# Altium PCB RadarPCB.PcbDoc
Units mm, origin at the board's own origin, x right, y up, seen from the top; angles counter-clockwise.
Board outline 65.3 x 74.58 mm, 4 copper layers (Top Layer, GND, PWR, Bottom Layer), stack 0.623 mm thick; 111 components, 61 nets, 388 pads, 97 vias.
Unrouted connection lines stored in the file: 11.
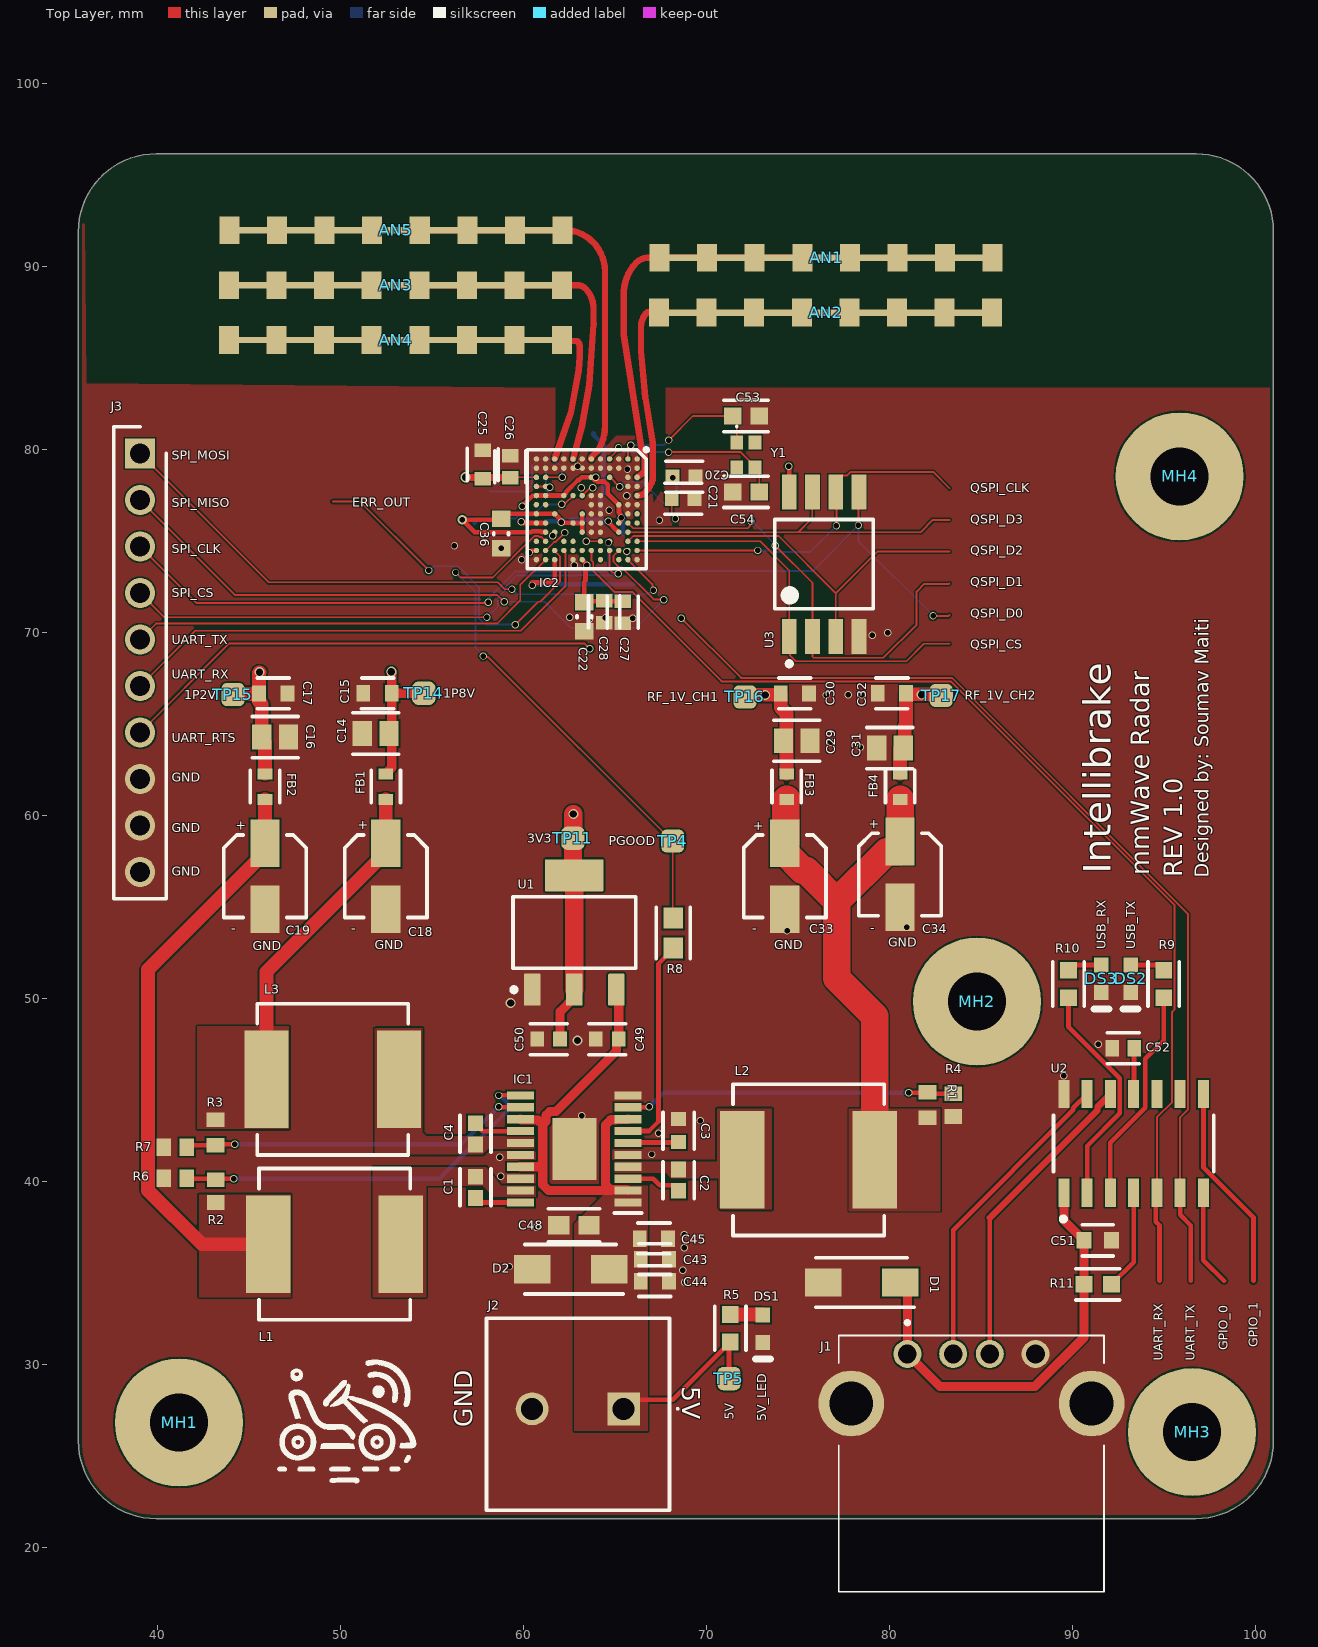
[diagram p0: Top Layer view]
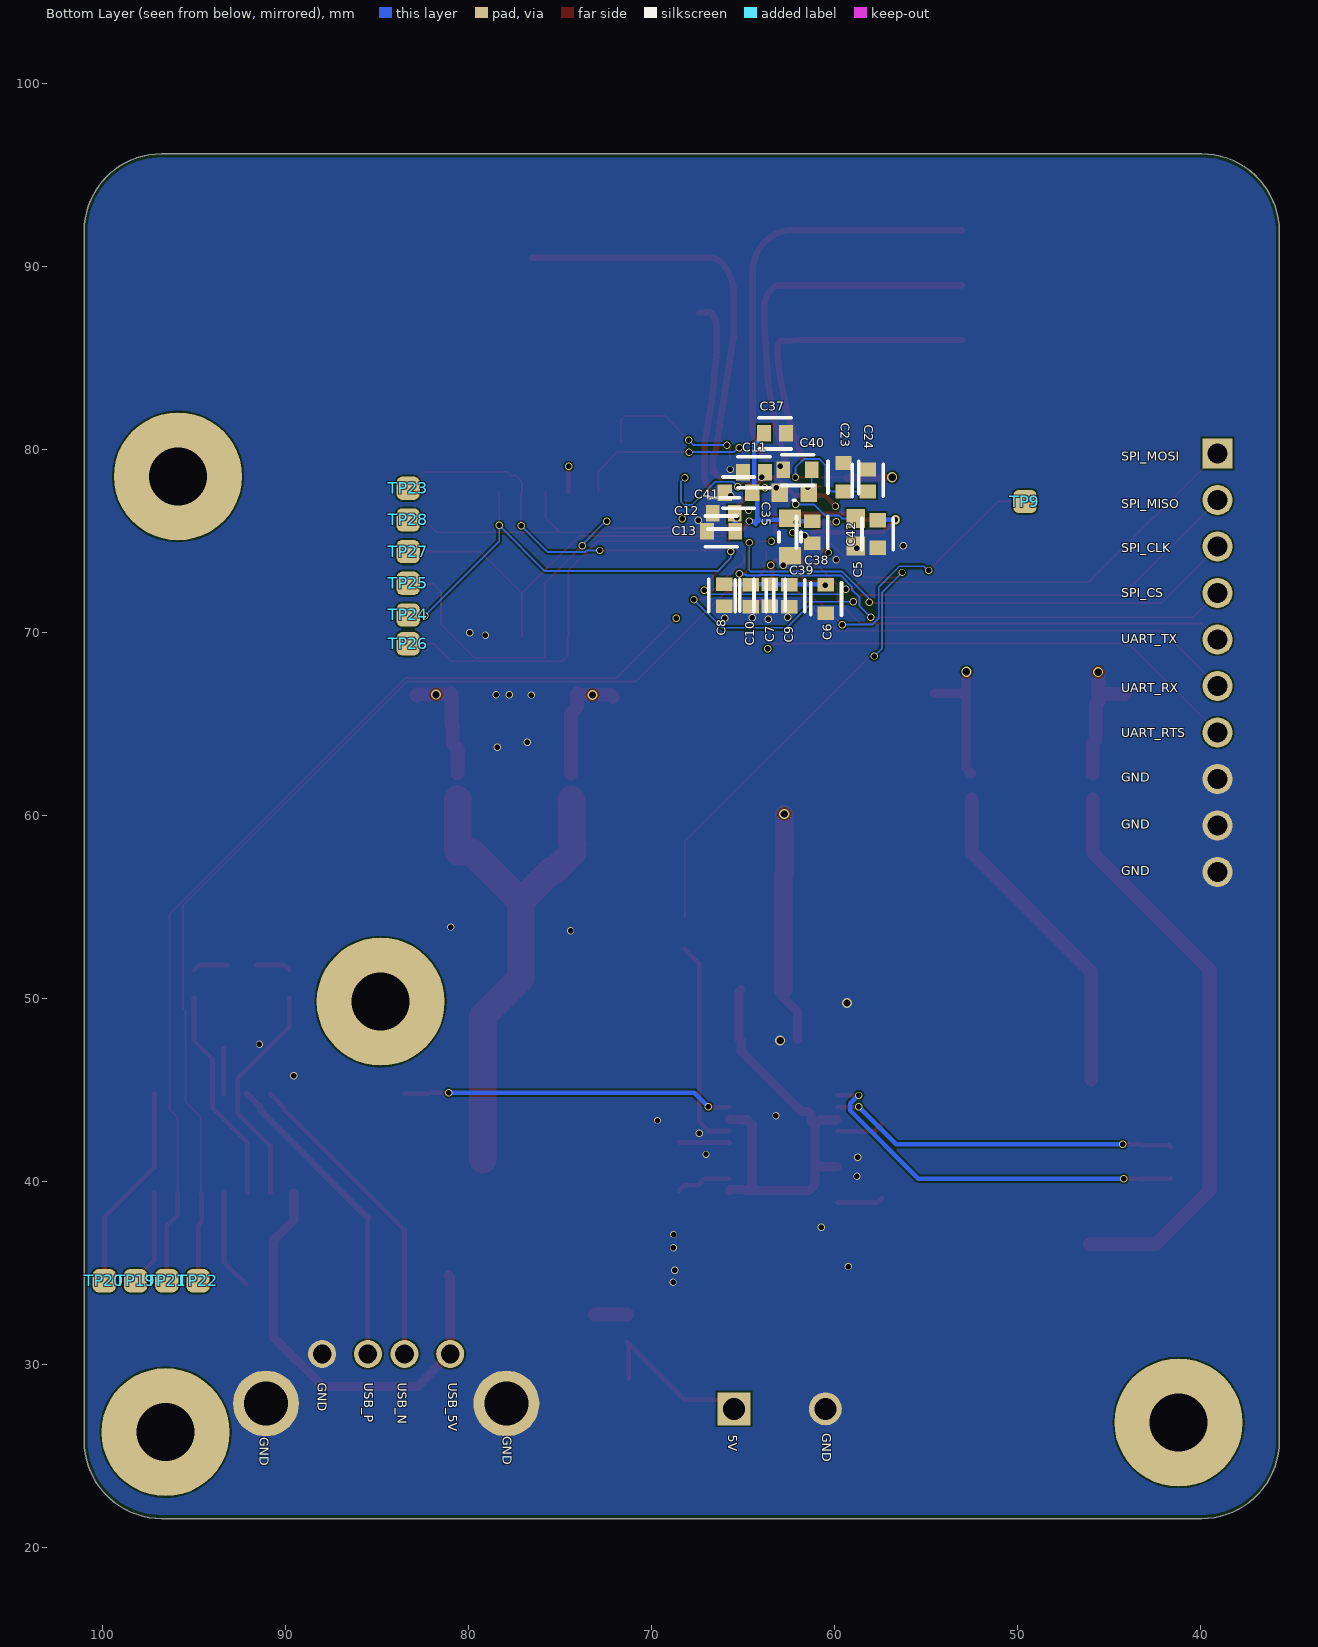
[diagram p1: Bottom Layer view, seen from below]
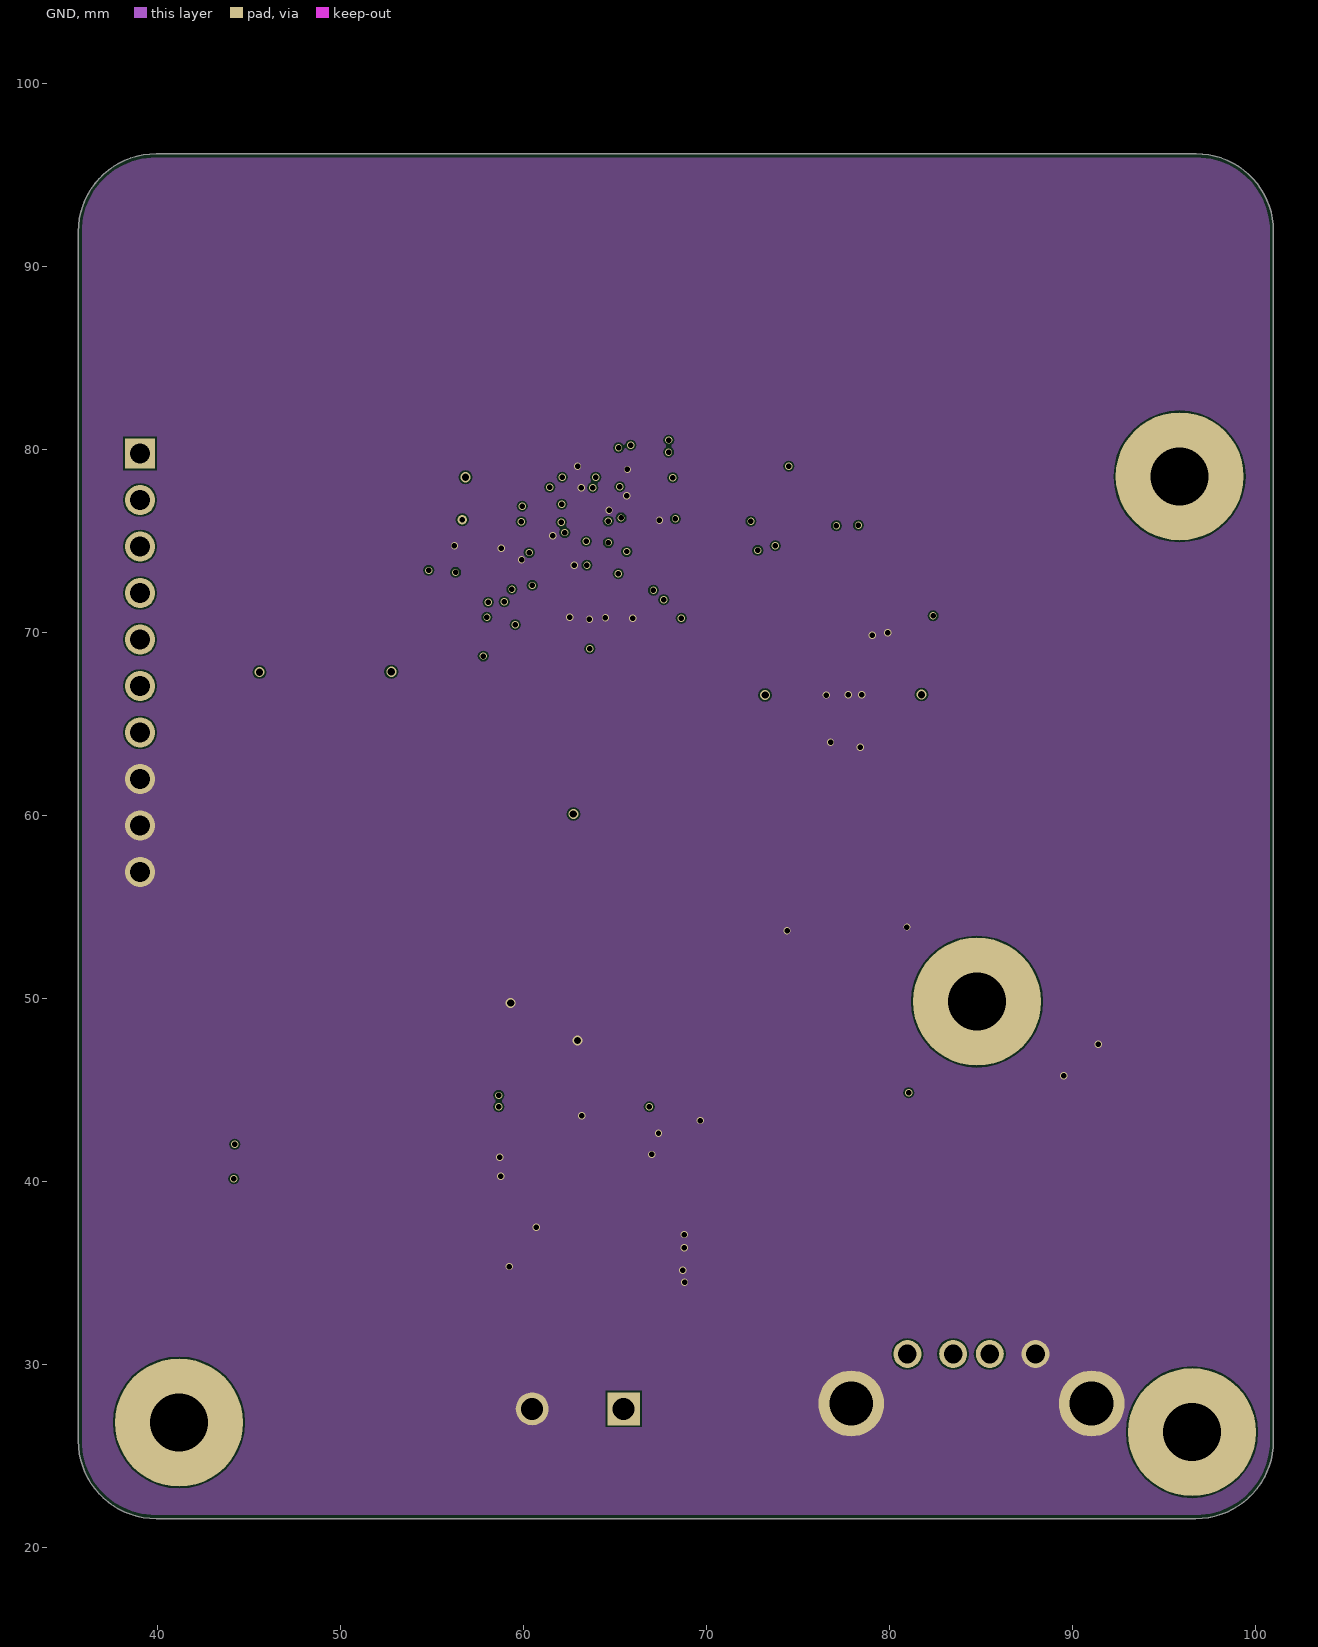
[diagram p2: GND]
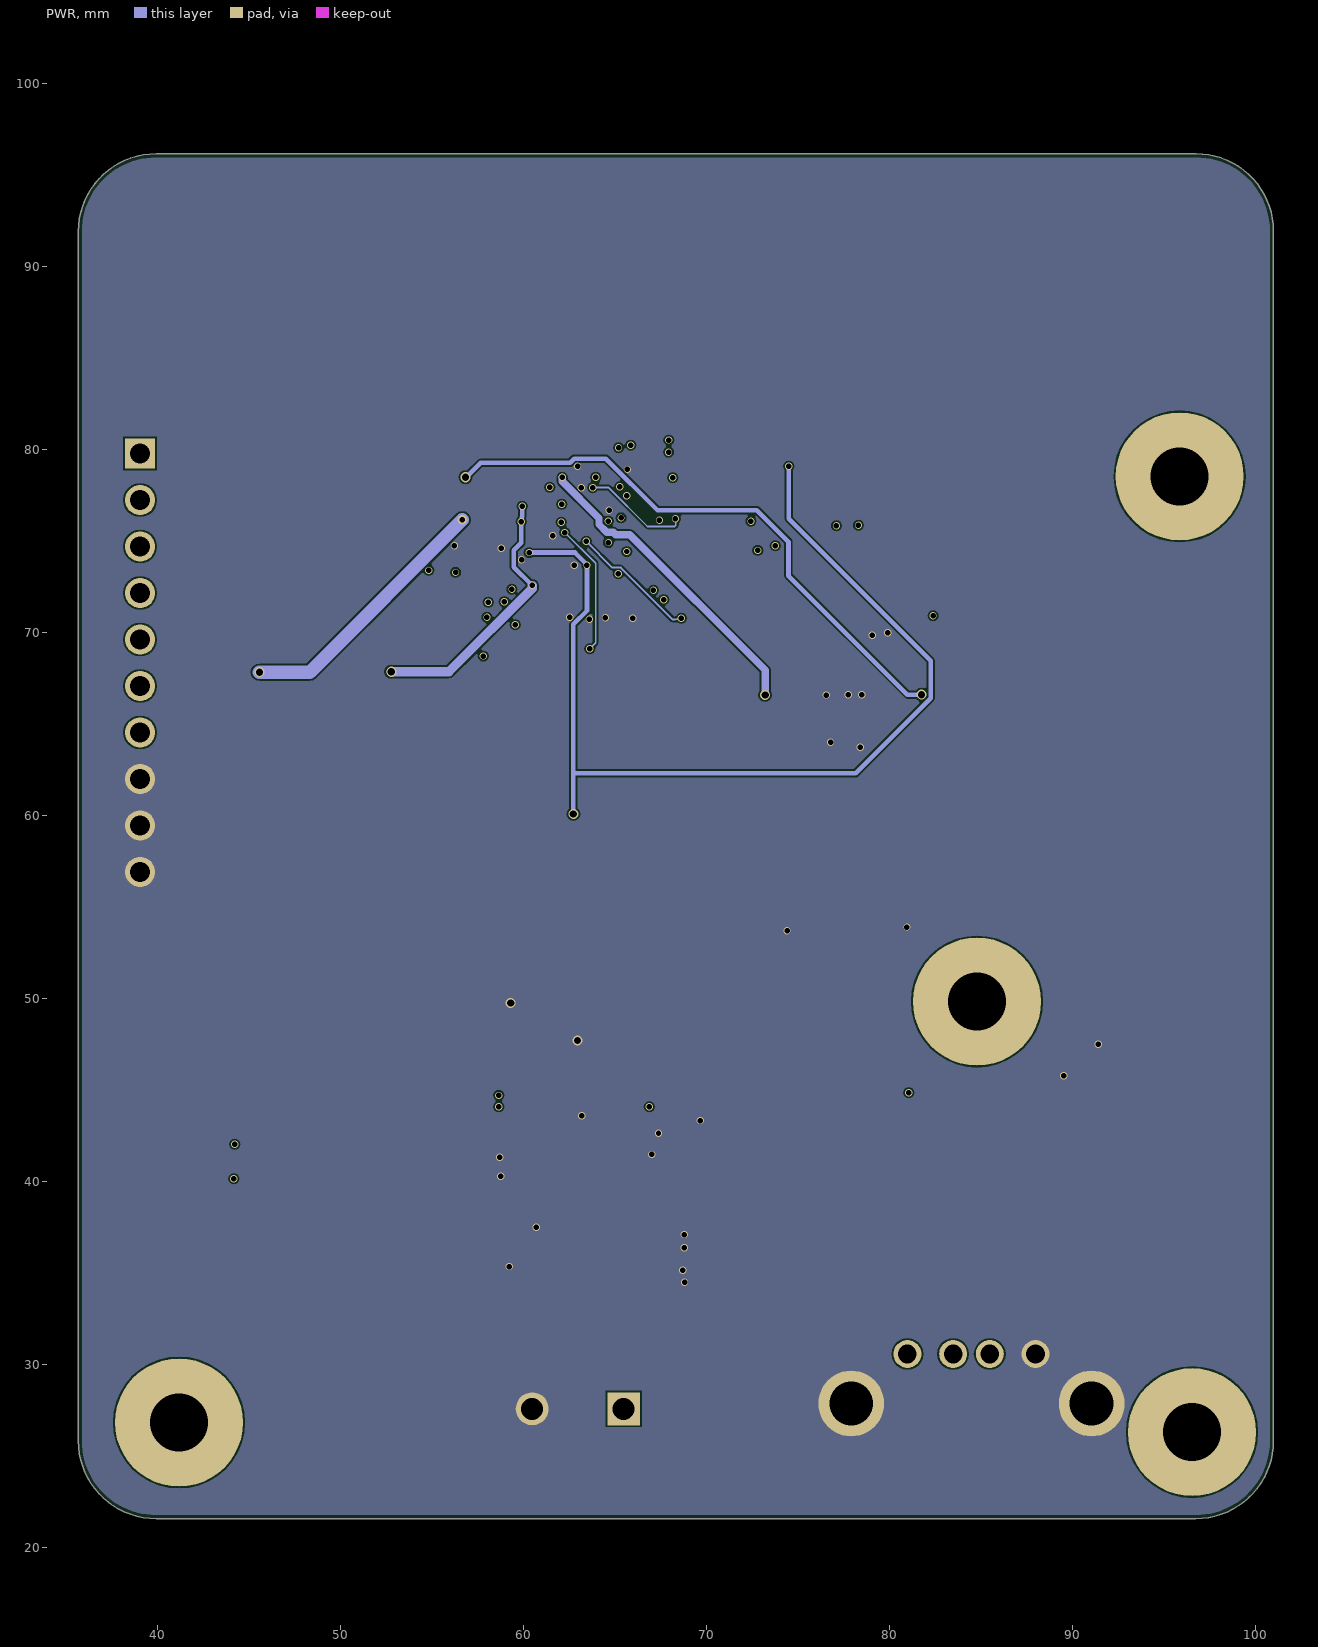
[diagram p3: PWR]
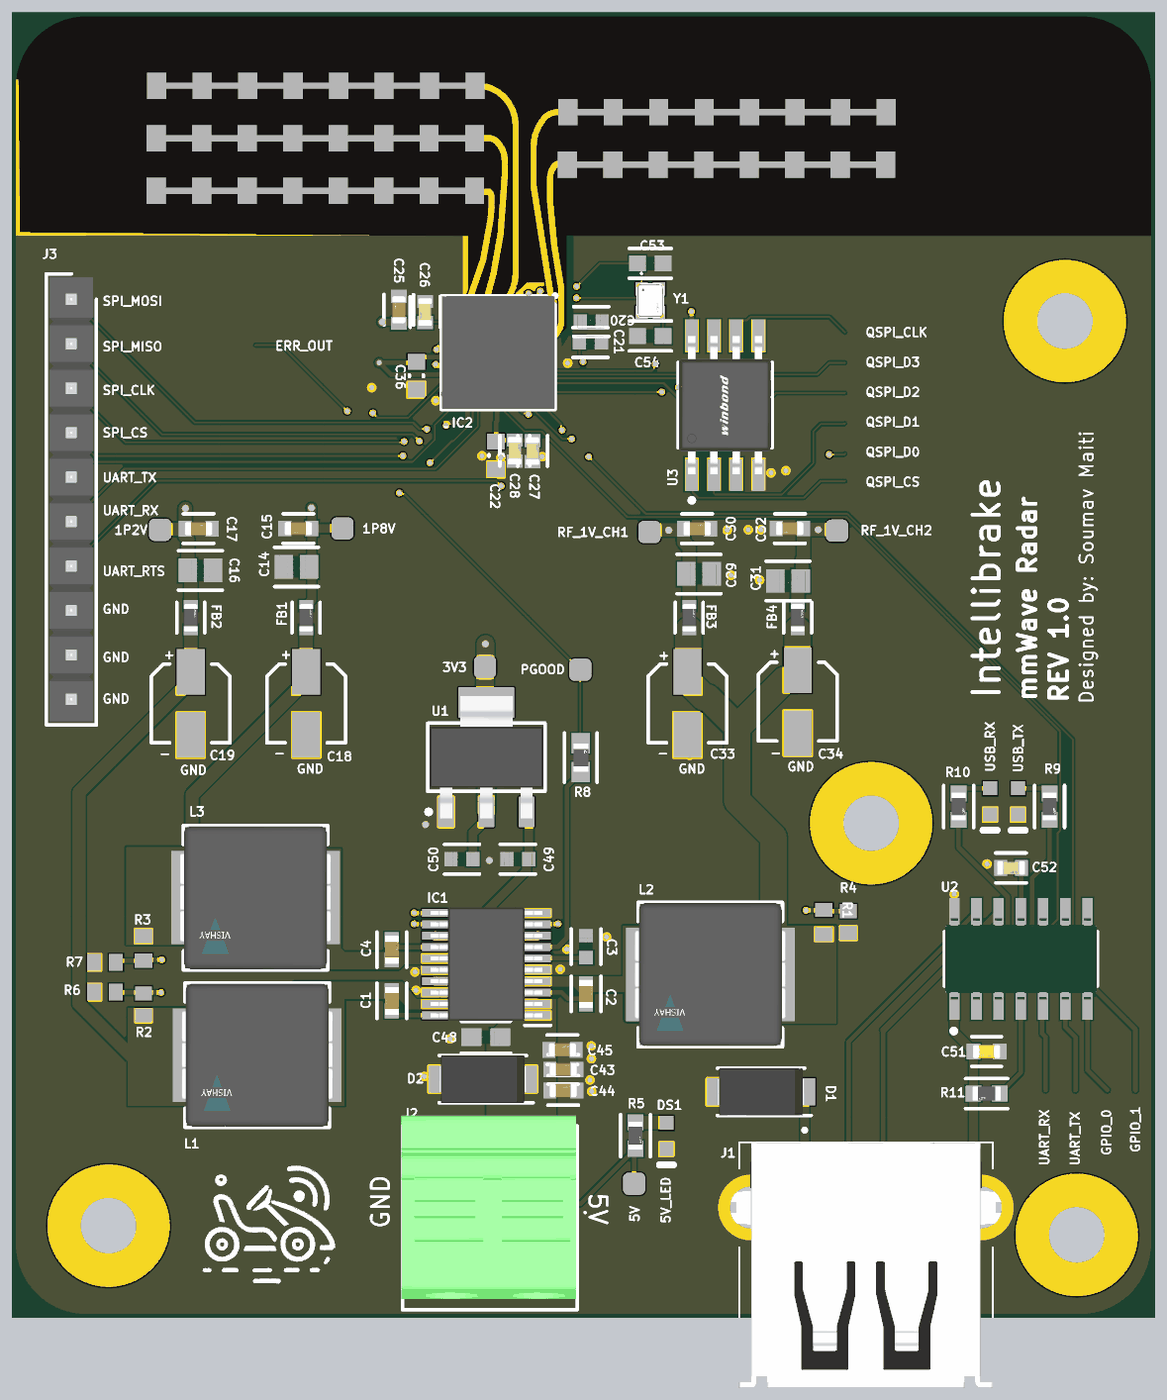
[diagram p4: 3D render of the assembled board from above, using the file's embedded part models]
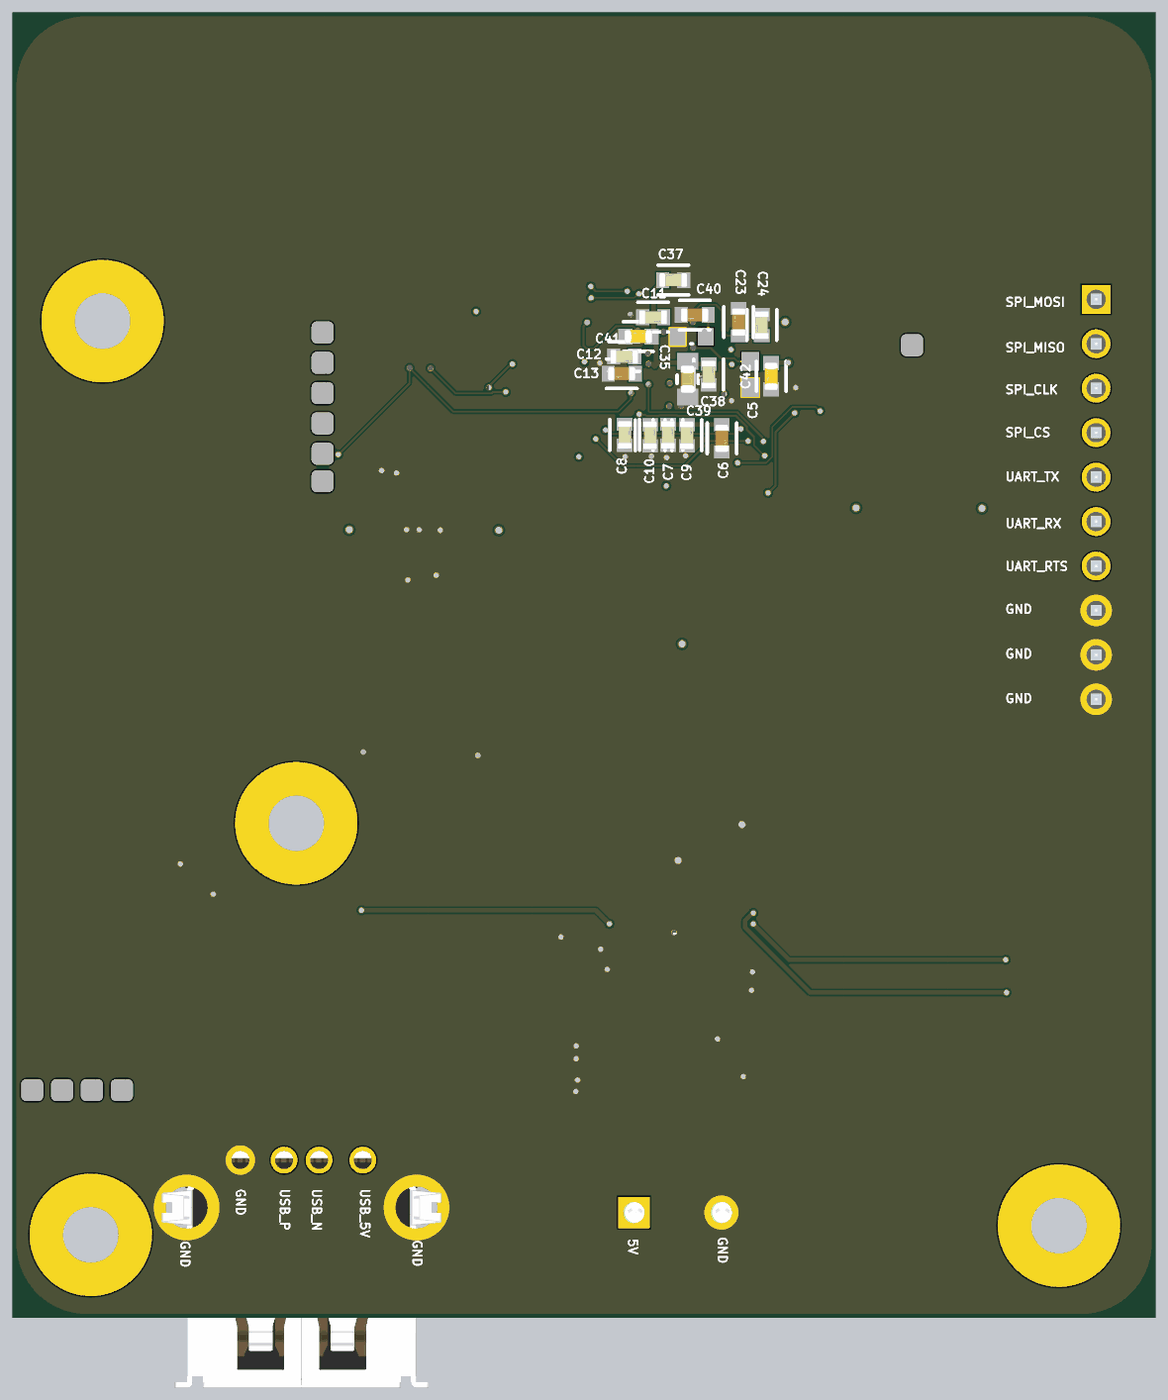
[diagram p5: 3D render of the assembled board from below, using the file's embedded part models]

## Layer stack, top to bottom
Top Solder: solder mask 0.0102, Solder Resist, Dk 3.5
Top Layer: signal copper 0.035
Dielectric 4: prepreg 0.2104, FR-4, Dk 4.4
GND: signal copper 0.0152
Dielectric 1: core 0.1016, Core-009, Dk 4.5
PWR: signal copper 0.0152
Dielectric 5: prepreg 0.2104, FR-4, Dk 4.4
Bottom Layer: signal copper 0.035
Bottom Solder: solder mask 0.0102, Solder Resist, Dk 3.5

## Board outline
39.95,96.175 96.775,96.175 cw(c96.775,91.95) 101,91.95 101,25.85 cw(c96.75,25.85) 96.75,21.6 39.95,21.6 cw(c39.95,25.85) 35.7,25.85 35.7,91.925 cw(c39.95,91.925)

## Design rules (kind name [scope] priority, off if disabled: settings)
BoardOutlineClearance [All] p1: gap=0.2 ignorepadtopadclearanceinfootprint=FALSE
Clearance [All] p1: gap=0.09 ignorepadtopadclearanceinfootprint=FALSE
ComponentClearance [All] p1: gap=0.102 collisioncheckmode=3 verticalgap=0.102 showdistances=TRUE
DiffPairsRouting [All] p1: maxlimit=0.102 minlimit=0.102 mostfreqgap=0.102 toplayer_minwidth=0.102 toplayer_maxwidth=1816.048 toplayer_prefwidth=0.102 midlayer1_minwidth=0.102 midlayer1_maxwidth=1816.048 midlayer1_prefwidth=0.102 midlayer4_minwidth=0.102 midlayer4_maxwidth=1816.048 midlayer4_prefwidth=0.102 bottomlayer_minwidth=0.102 bottomlayer_maxwidth=1816.048 bottomlayer_prefwidth=0.102 maxuncoupledlength=12.7
Height [All] p1: minheight=0 maxheight=1816.048 prefheight=12.7
HoleSize [All] p1: absolutevalues=TRUE maxlimit=6.3 minlimit=0.2 maxpercent=80.000 minpercent=20.000
HoleToHoleClearance [All] p1: gap=0.25 allowstackedmicrovias=FALSE
MinimumAnnularRing [All] p1: minimumring=0.076
MinimumSolderMaskSliver [All] p1: minsoldermaskwidth=0
PlaneClearance [All] p1: clearance=0.102
PlaneConnect PlaneConnectPowerPads [InPadClass('PowerPads')] p1: planeconnectstyle=Direct reliefexpansion=0.508 reliefentries=4 reliefconductorwidth=0.254 reliefairgap=0.254
PlaneConnect [All] p2: pad.planeconnectstyle=Relief pad.reliefexpansion=0.3 pad.reliefentries=4 pad.reliefconductorwidth=0.102 pad.reliefairgap=0.102 via.planeconnectstyle=Direct via.reliefexpansion=0.3 via.reliefentries=4 via.reliefconductorwidth=0.127 via.reliefairgap=0.127
PolygonConnect PolygonConnectPowerPads [All vs (InPadClass('PowerPads'))] p1: connectstyle=Direct reliefconductorwidth=0.254 reliefentries=4 polygonreliefangle="90 Angle" airgapwidth=0.254
PolygonConnect [All] p2: connectstyle=Direct reliefconductorwidth=0.102 reliefentries=4 polygonreliefangle="90 Angle" airgapwidth=0.102
RoutingVias [All] p1: holewidth=0.2 width=0.45 viastyle="Through Hole" minholewidth=0.2 minwidth=0.45 maxholewidth=6.3 maxwidth=6.55
SilkToSilkClearance [All] p1: silktosilkclearance=0
SilkToSolderMaskClearance [IsPad] p1: minsilkscreentomaskgap=0.102 clearancetoexposedcopper=TRUE
SolderMaskExpansion [All] p1: expansion=0.075 istentingtop=FALSE
SupplyNets "Schematic Supply Nets_15" [InNet('VOUT_1P4_SYNTH')] p1: voltage=0.000
SupplyNets "Schematic Supply Nets_14" [InNet('VBGAP')] p2: voltage=0.000
SupplyNets "Schematic Supply Nets_13" [InNet('1P2V_CORE')] p3: voltage=0.000
SupplyNets "Schematic Supply Nets_12" [InNet('PMIC_1V2')] p4: voltage=0.000
SupplyNets "Schematic Supply Nets_11" [InNet('PMIC_1V0')] p5: voltage=0.000
SupplyNets "Schematic Supply Nets_10" [InNet('1P8V')] p6: voltage=0.000
SupplyNets "Schematic Supply Nets_9" [InNet('1V0_RF_OUT_01')] p7: voltage=0.000
SupplyNets "Schematic Supply Nets_8" [InNet('USB_5V')] p8: voltage=0.000
SupplyNets "Schematic Supply Nets_7" [InNet('1P2V_RF')] p9: voltage=0.000
SupplyNets "Schematic Supply Nets_6" [InNet('1V0_RF_OUT_02')] p10: voltage=0.000
SupplyNets "Schematic Supply Nets_5" [InNet('GND')] p11: voltage=0.000
SupplyNets "Schematic Supply Nets_4" [InNet('+5')] p12: voltage=0.000
SupplyNets "Schematic Supply Nets_3" [InNet('3V3')] p13: voltage=0.000
SupplyNets "Schematic Supply Nets_2" [InNet('PMIC_1V8')] p14: voltage=0.000
SupplyNets "Schematic Supply Nets_1" [InNet('VOUT_1P4_APP')] p15: voltage=0.000
Width [All] p1: maxlimit=6 minlimit=0.1 preferedwidth=0.275 minimp=50.000000 maximp=50.000000 favimp=50.000000
20 further rules are at their usual default settings.

## Classes and differential pairs
component class Power: C1 C2 C3 C4 C49 C50 DS1 IC1 L1 L2 L3 R1 R2 R3 R4 R5 R6 R7 R8 TP4 TP5 TP11 U1
component class IWRL6432: AN1 AN2 AN3 AN4 AN5 IC2 TP9
component class Filters: C5 C6 C7 C8 C9 C10 C11 C12 C13 C14 C15 C16 C17 C18 C19 C20 C21 C22 C23 C24 C25 C26 C27 C28 C29 C30 C31 C32 C33 C34 C35 C36 C37 C38 C39 C40 C41 C42 C43 C44 C45 C48 FB1 FB2 FB3 FB4 TP14 TP15 TP16 TP17
component class Connectors: C51 C52 C53 C54 D1 D2 DS2 DS3 J1 J2 J3 MH1 MH2 MH3 MH4 R9 R10 R11 TP19 TP20 TP21 TP22 TP23 TP24 TP25 TP26 TP27 TP28 U2 U3 Y1
differential pair USB_D: +USB_D_P -USB_D_N

## Components (designator, comment, footprint, x,y, rotation, side; value= is the part's Value field where it differs from the comment)
AN1 "Antenna" ANTENNA 85.655,90.5 r90 top
AN2 "Antenna" ANTENNA 67.43,87.5 r270 top
AN3 "Antenna" ANTENNA 62.13,89 r90 top
AN4 "Antenna" ANTENNA 62.13,86 r90 top
AN5 "Antenna" ANTENNA 62.155,92 r90 top
C1 "0.1uF" FP-0603-L_1_6_0_1-W_0_8_0-IPC_C 57.4,39.7 r90 top
C2 "0.1uF" FP-0603-L_1_6_0_1-W_0_8_0-IPC_C 68.5,40.1 r270 top
C3 "1uF" FP-CL10-IPC_C 68.5,42.8 r90 top
C4 "0.1uF" FP-0603-L_1_6_0_1-W_0_8_0-IPC_C 57.4,42.623 r270 top
C5 "0.047uF" CAPC1608X90X35NL15T15 58.85,75.5 r90 bottom
C6 "10uF" FP-GRM18-0_15-MFG 60.475,71.85 r270 bottom
C7 "0.22uF" FP-C0603C-CF-MFG 63.55,72.05 r270 bottom value="0.22 μF"
C8 "0.22uF" FP-C0603C-CF-MFG 66.025,72.05 r270 bottom value="0.22 μF"
C9 "0.22uF" FP-C0603C-CF-MFG 62.475,72.025 r270 bottom value="0.22 μF"
C10 "0.22uF" FP-C0603C-CF-MFG 64.575,72.025 r270 bottom value="0.22 μF"
C11 "0.22uF" FP-C0603C-CF-MFG 64.4,78.775 r0 bottom value="0.22 μF"
C12 "0.22uF" FP-C0603C-CF-MFG 66.05,76.525 r0 bottom value="0.22 μF"
C13 "10uF" FP-GRM18-0_15-MFG 66.2,75.55 r0 bottom
C14 "22uF" FP-CL21-IPC_C 51.947,64.5 r180 top
C15 "10uF" FP-GRM18-0_15-MFG 52.05,66.7 r180 top
C16 "22uF" FP-CL21-IPC_C 46.453,64.3 r0 top
C17 "10uF" FP-GRM18-0_15-MFG 46.35,66.685 r0 top
C18 "22uF" NIC-CAPA2-4X5.8_V 52.5,56.7 r270 top
C19 "22uF" NIC-CAPA2-4X5.8_V 45.9,56.7 r270 top
C20 "1uF" FP-CL10-IPC_C 68.8,78.525 r0 top
C21 "1uF" FP-CL10-IPC_C 68.75,77.325 r0 top
C22 "2.2uF" CAPC0603(1608)100_N 63.35,70.875 r90 top
C23 "10uF" FP-GRM18-0_15-MFG 59.511,78.5 r90 bottom
C24 "0.22uF" FP-C0603C-CF-MFG 58.186,78.325 r90 bottom value="0.22 μF"
C25 "10uF" FP-GRM18-0_15-MFG 57.8,79.2 r90 top
C26 "0.22uF" FP-C0603C-CF-MFG 59.3,79.075 r90 top value="0.22 μF"
C27 "0.22uF" FP-C0603C-CF-MFG 65.45,71.125 r270 top value="0.22 μF"
C28 "0.22uF" FP-C0603C-CF-MFG 64.425,71.15 r270 top value="0.22 μF"
C29 "22uF" FP-CL21-IPC_C 74.953,64.1 r0 top
C30 "10uF" FP-GRM18-0_15-MFG 74.85,66.685 r0 top
C31 "22uF" FP-CL21-IPC_C 80.047,63.7 r180 top
C32 "10uF" FP-GRM18-0_15-MFG 80.15,66.7 r180 top
C33 "22uF" NIC-CAPA2-4X5.8_V 74.3,56.7 r270 top
C34 "22uF" NIC-CAPA2-4X5.8_V 80.6,56.8 r270 top
C35 "2.2uF" CAPC0603(1608)100_N 62.2,77.65 r180 bottom
C36 "2.2uF" CAPC0603(1608)100_N 58.8,75.425 r90 top
C37 "0.22uF" FP-C0603C-CF-MFG 63.25,80.9 r180 bottom value="0.22 μF"
C38 "0.22uF" FP-C0603C-CF-MFG 61.23,75.5 r270 bottom value="0.22 μF"
C39 "10nF" FP-CGA3E-0_3-0_1-IPC_A 62.433,75.234 r270 bottom
C40 "10uF" FP-GRM18-0_15-MFG 62.025,78.9 r0 bottom
C41 "0.1uF" FP-CC0603-DA-MFG 65.246,77.666 r0 bottom value="100 nF"
C42 "0.1uF" FP-CC0603-DA-MFG 57.65,75.4 r270 bottom value="100 nF"
C43 "10uF" FP-GRM18-0_15-MFG 67.2,35.775 r0 top
C44 "10uF" FP-GRM18-0_15-MFG 67.2,34.575 r0 top
C45 "10uF" FP-GRM18-0_15-MFG 67.15,36.9 r0 top
C48 "4.7uF" FP-CL10-IPC_A 62.775,37.625 r180 top
C49 "1uF" FP-CL10-IPC_C 64.6,47.8 r180 top
C50 "1uF" FP-CL10-IPC_C 61.4,47.8 r180 top
C51 "0.1uF" FP-CC0603-DA-MFG 91.4,36.8 r0 top value="100 nF"
C52 "0.22uF" FP-C0603C-CF-MFG 92.8,47.3 r180 top value="0.22 μF"
C53 "10pF" FP-CL10-IPC_B 72.175,81.85 r0 top
C54 "10pF" FP-CL10-IPC_B 72.175,77.7 r180 top
D1 "P4SMAJ170A" DIOM5027X240N 78.5,34.5 r180 top
D2 "P4SMAJ170A" DIOM5027X240N 62.6,35.225 r180 top
DS1 "HSMY-C190" AVAG-HSMX-C190_V 73.1,31.975 r270 top
DS2 "HSMY-C190" AVAG-HSMX-C190_V 93.2,51.1 r270 top
DS3 "HSMY-C190" AVAG-HSMX-C190_V 91.6,51.1 r270 top
FB1 "100Ohm" FP-MPZ1608-0_8-MFG 52.5,61.6 r90 top
FB2 "100Ohm" FP-MPZ1608-0_8-MFG 45.9,61.6 r90 top
FB3 "100Ohm" FP-MPZ1608-0_8-MFG 74.4,61.6 r90 top
FB4 "100Ohm" FP-MPZ1608-0_8-MFG 80.6,61.6 r90 top
IC1 "TPS65580PWPR" SOP65P640X120-21N 62.8,41.8 r180 top
IC2 "IWRL6432BDBAAMFR" BGA102C50P12X12_645X645X97 63.48,76.75 r270 top
J1 "SS-52100-001" SS52100001 81,30.6 r0 top
J2 "1792863" 1792863 65.5,27.6 r180 top
J3 "PH1-10-UA" HDRV10W64P0X254_1X10_2540X249X886P 39.075,79.795 r90 top
L1 "0.47uH" FP-IHLP-3232DZ-FP_2_413x5-MFG 49.7,36.6 r180 top
L2 "0.47uH" FP-IHLP-3232DZ-FP_2_413x5-MFG 75.6,41.2 r180 top
L3 "0.47uH" FP-IHLP-3232DZ-FP_2_413x5-MFG 49.6,45.6 r180 top
MH1 "MH?" "MOUNTING HOLE" 41.075,26.85 r0 top
MH2 "MH?" "MOUNTING HOLE" 84.675,49.85 r0 top
MH3 "MH?" "MOUNTING HOLE" 96.425,26.325 r0 top
MH4 "MH?" "MOUNTING HOLE" 95.75,78.55 r0 top
R1 "680Ω" RESC1608X55X30NL20T10 82.1,44.2 r270 top
R2 "1.27k" RESC1609X50X30NL10T20 43.2,39.5 r270 top
R3 "3kΩ" RESC1608X55X30NL20T10 43.2,42.7 r90 top
R4 "2.2kΩ" RESC1609X50X30NL10T20 83.5,44.2 r90 top
R5 "1.5k" FP-RC1608-IPC_B 71.325,32 r270 top
R6 "2.2kΩ" RESC1609X50X30NL10T20 41,40.2 r0 top
R7 "2.2kΩ" RESC1609X50X30NL10T20 41,41.9 r0 top
R8 "4.7k" FP-CRCW0603-HPe3-IPC_A 68.2,53.6 r90 top
R9 "1.5k" FP-RC1608-IPC_B 95,50.806 r270 top
R10 "1.5k" FP-RC1608-IPC_B 89.8,50.806 r270 top
R11 "1.5k" FP-RC1608-IPC_B 91.4,34.4 r180 top
TP4 "TP_1" TESTPOINT 68.175,58.625 r90 top
TP5 "TP" TESTPOINT 71.25,29.25 r90 top
TP9 "TP_1" TESTPOINT 49.6,77.175 r0 bottom
TP11 "TP" TESTPOINT 62.725,58.775 r90 top
TP14 "TP_1" TESTPOINT 54.575,66.7 r90 top
TP15 "TP_1" TESTPOINT 44.15,66.625 r90 top
TP16 "TP_1" TESTPOINT 72.125,66.5 r90 top
TP17 "TP_1" TESTPOINT 82.85,66.575 r90 top
TP19 "TP_1" TESTPOINT 98.192,34.6 r180 bottom
TP20 "TP_1" TESTPOINT 99.9,34.6 r180 bottom
TP21 "TP_1" TESTPOINT 96.483,34.6 r180 bottom
TP22 "TP_1" TESTPOINT 94.775,34.6 r90 bottom
TP23 "TP_1" TESTPOINT 83.3,77.9 r90 bottom
TP24 "TP_1" TESTPOINT 83.3,70.975 r90 bottom
TP25 "TP_1" TESTPOINT 83.3,72.706 r90 bottom
TP26 "TP_1" TESTPOINT 83.3,69.4 r90 bottom
TP27 "TP_1" TESTPOINT 83.3,74.437 r90 bottom
TP28 "TP_1" TESTPOINT 83.3,76.169 r90 bottom
U1 "TLV1117LV33DCYR" DCY0004A_N 62.8,53.625 r90 top
U2 "MCP2221A-I/SL" FP-C04-065-SL-MFG 93.36,42.1 r90 top
U3 "W25Q80DVSSIG" FP-SS-MFG 76.45,73.75 r90 top
Y1 "XRCGB40M000F0L00R0" XRCGB 72.175,79.725 r270 top

## Footprints (in the part's own frame and the unit in brackets; to place one, negate y for a bottom-side part, rotate by r counter-clockwise, add the part's x,y. Pads: shape width x height; smd on the part's side, far side on the other; paste and mask are expansions set on the pad)
1792863 [mm]
  rect 1.8x1.8 hole 1.2: 1(0,0)
  round 1.8 hole 1.2: 2(5,0)
  silkscreen extent -3,-4.95 7.5,5.55, body extent -2.43,-5.55 7.57,4.95, height 13.29